# KiCad board 8851_HW-U1-VCU118_REV2-0_071417.kicad_pcb (continued)
## Routing (per net, layer and track width the routed paths; a pad name or vN(x,y) marks a point on that pad's centre or on a via; arc(x,y) is an arc through that point) (continued)
DDR4_C1_DQS1_C: length 52.9
  TOP w0.142: v2(106.53,56.93) 107.02,57.42 107.02,57.42
  07_SIG3 w0.125: 99.72,48.58 100.03,48.89 100.03,49.33 100.36,49.66 102.76,49.66 102.98,49.88 102.98,50.29 103.34,50.64 103.74,50.64 103.97,50.87 103.97,51.27 104.32,51.62 104.72,51.62 104.95,51.85 104.95,52.25 105.3,52.61 105.71,52.61 105.94,52.83 105.94,53.24 106.29,53.59 106.69,53.59 106.92,53.82 106.92,57.41 106.83,57.5 106.48,57.5 106.36,57.38 106.36,57.11 v2(106.53,56.93) ; 94.59,41.71 94.61,41.73 94.68,41.73 95.11,42.17 95.11,43.42 95.44,43.75 95.95,43.75 96.09,43.89 96.09,44.38 96.44,44.73 97,44.73 97.15,44.88
  07_SIG3 w0.175: v1(79.88,39.21) 79.66,39.21 79.53,39.08 79.53,38.87 79.65,38.75 80.03,38.75 80.18,38.9 80.9,38.9
  07_SIG3 w0.205: 80.9,38.9 81.5,38.9 81.68,39.08 81.68,39.29 82.04,39.65 82.54,39.65 82.9,39.29 82.9,39.08 83.08,38.9 83.65,38.9 83.98,39.23 84.52,39.23 84.7,39.41 84.7,40.09 85.06,40.45 85.56,40.45 85.91,40.09 85.91,39.41 86.09,39.23 86.35,39.23 86.53,39.41 86.53,40.01 86.87,40.35 87.41,40.35 87.74,40.01 87.74,39.41 87.92,39.23 88.18,39.23 88.36,39.41 88.36,40.14 88.72,40.5 89.22,40.5 89.57,40.14 89.57,39.41 89.75,39.23 90.01,39.23 90.19,39.41 90.19,40.07 90.52,40.41 91.03,40.41 91.4,40.03 91.4,39.41 91.58,39.23 91.98,39.23 92.16,39.41 92.16,39.94 92.52,40.3 93.17,40.3 93.34,40.46 93.34,40.81 93.68,41.15 94.03,41.15 94.59,41.71
  07_SIG3 w0.234: 97.15,44.88 97.15,46.43 97.35,46.63 98.14,46.63 98.2,46.58 98.9,46.58 99.18,46.86 99.18,48.35 99.41,48.58 99.72,48.58
  BOTTOM w0.142: v1(79.88,39.21) 79.48,39.61
DDR4_C1_DQS1_T: length 52.9
  TOP w0.142: v2(106.53,57.92) 107.02,58.41
  07_SIG3 w0.125: 100.11,48.6 100.24,48.73 100.24,49.24 100.44,49.45 102.84,49.45 103.19,49.8 103.19,50.2 103.42,50.43 103.83,50.43 104.17,50.78 104.17,51.18 104.41,51.42 104.81,51.42 105.16,51.76 105.16,52.17 105.39,52.4 105.79,52.4 106.14,52.75 106.14,53.15 106.37,53.38 106.78,53.38 107.13,53.74 107.13,57.54 106.92,57.75 106.7,57.75 v2(106.53,57.92) ; 94.8,41.5 94.82,41.52 94.82,41.59 95.32,42.08 95.32,43.33 95.52,43.54 96.04,43.54 96.3,43.8 96.3,44.3 96.53,44.52 97.09,44.52 97.15,44.59 97.48,44.59
  07_SIG3 w0.175: 80.9,38.6 80.3,38.6 80.15,38.45 79.45,38.45 79.09,38.81 v1(79.09,39.21)
  07_SIG3 w0.205: 80.9,38.6 81.62,38.6 81.98,38.96 81.98,39.17 82.16,39.35 82.42,39.35 82.6,39.17 82.6,38.96 82.95,38.6 83.78,38.6 84.1,38.92 84.64,38.92 85,39.28 85,39.97 85.18,40.15 85.43,40.15 85.61,39.97 85.61,39.28 85.97,38.92 86.47,38.92 86.83,39.28 86.83,39.89 86.99,40.05 87.28,40.05 87.44,39.89 87.44,39.28 87.8,38.92 88.3,38.92 88.66,39.28 88.66,40.02 88.84,40.2 89.09,40.2 89.27,40.02 89.27,39.28 89.63,38.92 90.13,38.92 90.49,39.28 90.49,39.95 90.65,40.11 90.9,40.11 91.1,39.91 91.1,39.28 91.46,38.92 92.1,38.92 92.46,39.29 92.46,39.81 92.64,40 93.3,40 94.8,41.5
  07_SIG3 w0.234: 97.48,44.59 97.92,44.59 98.2,44.87 98.2,45.35 98.45,45.6 98.85,45.6 99.12,45.87 99.12,46.32 99.43,46.63 99.86,46.63 100.11,46.88 100.11,48.6
  BOTTOM w0.142: v1(79.09,39.21) 78.7,39.61
DDR4_C1_DQS2_C: length 52.3
  TOP w0.142: v2(101.61,59.88) 102.1,60.38
  03_SIG1 w0.125: v2(101.61,59.88) 101.88,59.88 101.98,59.99 101.98,60.24 102.22,60.48 102.9,60.48 103.19,60.19 103.19,57.62 102.89,57.32 102.42,57.32 102.21,57.1 102.21,56.67 101.87,56.34 101.44,56.34 101.22,56.12 101.22,55.69 100.89,55.35 93.45,55.35 93.41,55.31 93.38,55.31
  03_SIG1 w0.175: v1(75.94,64.6) 75.85,64.69 75.85,65.04 75.55,65.34 75.55,65.59 75.67,65.71 77.22,65.71 77.64,65.29 79.76,65.29 80.32,64.72 ; 92.9,55.31 93.38,55.31
  03_SIG1 w0.205: 92.9,55.31 90.5,55.31 89.89,55.92 89.65,55.92 88.86,55.13 88.38,55.13 88.03,55.48 88.03,55.97 88.84,56.79 88.84,57.02 88.67,57.19 88.43,57.19 87.61,56.37 87.15,56.37 86.8,56.71 86.8,57.23 87.57,58 87.57,58.24 87.4,58.41 87.15,58.41 86.37,57.62 85.9,57.62 85.55,57.97 85.55,58.47 86.35,59.27 86.35,59.48 86.18,59.65 85.91,59.65 85.36,59.1 84.87,59.1 84.53,59.45 84.53,59.94 85.08,60.49 85.08,60.73 84.28,61.53 81.04,61.53 80.67,61.89 80.67,62.65 80.33,62.99 80.33,63.66 80.67,64 80.67,64.38 80.33,64.72
  BOTTOM w0.142: v1(75.94,64.6) 75.55,64.21
  vias: v1(75.15,63.81)
DDR4_C1_DQS2_T: length 52.1
  TOP w0.142: v2(102.6,59.88) 103.09,60.38
  03_SIG1 w0.125: 93.38,55.61 93.41,55.61 93.45,55.56 100.8,55.56 101.02,55.77 101.02,56.21 101.35,56.54 101.79,56.54 102,56.76 102,57.19 102.34,57.53 102.8,57.53 102.98,57.71 102.98,60.11 102.82,60.27 102.3,60.27 102.19,60.16 102.19,59.94 102.24,59.88 v2(102.6,59.88)
  03_SIG1 w0.175: 92.9,55.61 93.38,55.61 ; v1(75.15,64.6) 75.44,64.6 75.55,64.71 75.55,64.91 75.25,65.22 75.25,65.71 75.55,66.01 77.34,66.01 77.76,65.59 79.88,65.59 80.33,65.15
  03_SIG1 w0.205: 92.9,55.61 90.62,55.61 90.01,56.22 89.52,56.22 88.74,55.43 88.5,55.43 88.33,55.6 88.33,55.85 89.14,56.66 89.14,57.14 88.8,57.49 88.3,57.49 87.48,56.67 87.27,56.67 87.1,56.84 87.1,57.11 87.87,57.88 87.87,58.36 87.52,58.71 87.03,58.71 86.25,57.92 86.02,57.92 85.85,58.09 85.85,58.35 86.65,59.14 86.65,59.6 86.3,59.95 85.78,59.95 85.24,59.4 85,59.4 84.83,59.57 84.83,59.81 85.38,60.36 85.38,60.85 84.41,61.83 81.16,61.83 80.97,62.01 80.97,62.77 80.63,63.11 80.63,63.53 80.97,63.87 80.97,64.5 80.33,65.15
  BOTTOM w0.142: v1(75.15,64.6) 74.76,64.21
DDR4_C1_DQS3_C: length 36.9
  TOP w0.142: v2(97.67,56.93) 98.17,57.42 98.17,57.42
  07_SIG3 w0.125: 92.9,56.59 93,56.59 93.05,56.54 97.97,56.54 98.18,56.75 98.18,56.87 98.03,57.03 97.77,57.03 v2(97.67,56.93)
  07_SIG3 w0.175: v1(79.88,66.96) 79.68,66.96 79.52,66.81 79.52,66.44 79.34,66.26 79.34,65.92 79.47,65.79 80.19,65.79 80.33,65.66
  07_SIG3 w0.205: 80.33,65.66 81.03,64.95 81.03,61.95 81.16,61.82 81.96,61.82 82.58,61.2 82.58,59.3 82.4,59.13 82.4,57.83 83.16,57.07 83.16,55.98 83.3,55.84 84.36,55.84 85.36,54.85 85.75,54.85 85.89,54.99 85.89,55.49 86.2,55.8 86.73,55.8 87.04,55.49 87.04,54.91 87.18,54.78 87.45,54.78 87.59,54.91 87.59,55.49 87.9,55.8 88.43,55.8 88.74,55.49 88.74,54.91 88.88,54.78 89.15,54.78 89.29,54.91 89.29,55.49 89.6,55.8 90.13,55.8 90.44,55.49 90.44,55.04 90.71,54.78 91.2,54.78 91.65,55.22 91.65,55.6 92.63,56.59 92.9,56.59
  BOTTOM w0.142: v1(79.88,66.96) 79.48,67.36
DDR4_C1_DQS3_T: length 37.8
  TOP w0.142: 99.15,57.42 99.15,57.42 v2(98.66,56.93)
  TOP w0.375: v2(108.5,82.52) U1.F16
  07_SIG3 w0.125: 92.9,56.29 93.03,56.29 93.08,56.33 98.06,56.33 98.27,56.54 v2(98.66,56.93)
  07_SIG3 w0.175: v1(79.09,66.96) 79.22,66.83 79.22,66.57 79.04,66.39 79.04,65.8 79.35,65.49 80.07,65.49 80.33,65.24
  07_SIG3 w0.205: 80.33,65.24 80.73,64.83 80.73,61.82 81.04,61.52 81.83,61.52 82.28,61.08 82.28,59.42 82.1,59.25 82.1,57.7 82.86,56.94 82.86,55.85 83.17,55.54 84.24,55.54 85.23,54.55 85.88,54.55 86.19,54.86 86.19,55.36 86.33,55.5 86.6,55.5 86.74,55.36 86.74,54.79 87.05,54.47 87.58,54.47 87.89,54.79 87.89,55.36 88.03,55.5 88.3,55.5 88.44,55.36 88.44,54.79 88.75,54.47 89.28,54.47 89.59,54.79 89.59,55.36 89.73,55.5 90,55.5 90.14,55.36 90.14,54.92 90.58,54.47 91.33,54.47 91.95,55.09 91.95,55.48 92.76,56.29 92.9,56.29
  BOTTOM w0.142: v1(79.09,66.96) 78.7,67.36
DDR4_C1_DQS4_C: length 57.9
  TOP w0.142: v2(93.74,58.9) 94.23,59.39
  05_SIG2 w0.175: v2(93.74,58.9) 93.74,59.29 93.65,59.38 92.9,59.38 ; v1(75.94,92.35) 75.82,92.35 75.65,92.52 75.65,92.79 75.84,92.99 79.91,92.99 80.09,92.8 80.09,92.73
  05_SIG2 w0.205: 80.09,92.73 80.38,92.45 80.38,89.59 80.24,89.45 77.73,89.45 77.23,88.94 77.23,87.06 77.83,86.46 79.55,86.46 79.86,86.77 79.86,87.48 80,87.62 80.21,87.62 80.36,87.47 80.36,86.83 80.62,86.57 82.23,86.57 83.16,85.64 83.16,66.74 83.77,66.13 84.82,66.13 85.14,66.45 87.61,66.45 88.86,65.2 88.86,63.04 92.53,59.38 92.9,59.38
  BOTTOM w0.142: 75.55,91.96 v1(75.94,92.35)
  vias: v1(75.15,91.56)
DDR4_C1_DQS4_T: length 57.9
  TOP w0.142: v2(93.74,59.88) 94.23,60.38
  05_SIG2 w0.175: v2(93.74,59.88) 93.53,59.67 92.9,59.67 ; 80.33,93 80.03,93.29 75.72,93.29 75.33,92.9 75.33,92.53 v1(75.15,92.35)
  05_SIG2 w0.205: 92.9,59.67 92.65,59.67 89.16,63.17 89.16,65.32 87.73,66.75 85.01,66.75 84.69,66.43 83.89,66.43 83.46,66.86 83.46,85.76 82.35,86.87 80.75,86.87 80.66,86.96 80.66,87.6 80.34,87.92 79.88,87.92 79.56,87.6 79.56,86.9 79.42,86.76 77.95,86.76 77.53,87.19 77.53,88.82 77.86,89.15 80.36,89.15 80.67,89.46 80.67,92.65 80.33,93
  BOTTOM w0.142: v1(75.15,92.35) 74.76,91.96
DDR4_C1_DQS5_C: length 78.6
  TOP w0.142: v2(104.56,62.84) 105.06,63.33
  03_SIG1 w0.125: v2(104.56,62.84) 105.01,62.84 105.09,62.91 105.09,63.12 104.98,63.23 104.31,63.23 103.97,63.57 103.97,65.98 103.77,66.18 103.33,66.18 102.99,66.52 102.99,66.94 102.76,67.16 102.35,67.16 102,67.51 102,67.93 101.78,68.15 101.36,68.15 101.02,68.49 101.02,69.9 100.8,70.12 100.29,70.12 100.03,70.37 100.03,70.89 99.82,71.1 99.35,71.1 99.05,71.4 99.05,71.87 98.83,72.08 98.37,72.08 98.06,72.39 98.06,72.85 97.84,73.07 97.38,73.07 97.08,73.38 97.08,73.83 96.86,74.05 96.43,74.05 96.09,74.39 96.09,74.81 95.87,75.04 95.4,75.04 95.11,75.32 95.11,75.81 94.9,76.02 94.42,76.02 94.12,76.32 94.12,76.82 93.94,77.01 92.98,77.01 92.93,76.96 92.9,76.96
  03_SIG1 w0.175: v1(79.88,94.71) 79.88,94.25 79.97,94.16 80.11,94.16 80.27,94.32 80.27,94.58 80.33,94.63 80.33,94.64
  03_SIG1 w0.205: 80.33,94.64 80.79,94.64 81.27,94.16 81.27,93.48 81.18,93.39 80.76,93.39 80.35,92.97 80.35,92.33 80.78,91.9 81.11,91.9 81.26,91.75 81.26,91.17 81.11,91.02 80.71,91.02 80.35,90.66 80.35,89.84 79.96,89.45 72.17,89.45 71.44,88.72 71.44,88.17 71.73,87.87 72.85,87.87 72.95,87.78 72.95,87.5 72.77,87.32 72.47,87.32 72.19,87.04 72.19,85.73 72.47,85.45 72.95,85.45 73.26,85.76 73.26,86.13 73.4,86.28 73.72,86.28 73.83,86.17 73.83,85.27 74.14,84.96 74.66,84.96 75,85.3 75,86.18 75.15,86.33 75.37,86.33 75.61,86.09 75.61,85.28 75.93,84.96 76.48,84.96 76.77,85.25 76.77,86.14 76.9,86.27 77.2,86.27 77.38,86.09 77.38,85.58 77.64,85.32 78.24,85.32 78.54,85.62 78.54,86.14 78.72,86.32 79.79,86.32 79.97,86.14 79.97,85.57 80.3,85.25 84.24,85.25 92.53,76.96 92.9,76.96
  BOTTOM w0.142: 79.48,95.11 v1(79.88,94.71)
DDR4_C1_DQS5_T: length 78.8
  TOP w0.142: v2(105.55,62.84) 106.04,63.33
  03_SIG1 w0.125: v2(105.55,62.84) 105.29,63.09 105.29,63.21 105.07,63.43 104.4,63.43 104.17,63.66 104.17,66.07 103.86,66.39 103.41,66.39 103.19,66.61 103.19,67.02 102.84,67.37 102.43,67.37 102.21,67.6 102.21,68.01 101.87,68.35 101.45,68.35 101.22,68.58 101.22,69.99 100.89,70.32 100.38,70.32 100.24,70.46 100.24,70.97 99.91,71.31 99.43,71.31 99.26,71.48 99.26,71.96 98.92,72.29 98.46,72.29 98.27,72.48 98.27,72.94 97.93,73.28 97.47,73.28 97.28,73.46 97.28,73.92 96.94,74.26 96.51,74.26 96.3,74.47 96.3,74.9 95.96,75.24 95.48,75.24 95.32,75.41 95.32,75.9 94.98,76.23 94.51,76.23 94.33,76.41 94.33,76.9 94.02,77.21 92.98,77.21 92.93,77.26 92.9,77.26
  03_SIG1 w0.175: v1(79.09,94.71) 79.49,95.11 80.05,95.11 80.22,94.94 80.33,94.94
  03_SIG1 w0.205: 80.33,94.94 80.92,94.94 81.57,94.28 81.57,93.36 81.3,93.09 80.89,93.09 80.65,92.85 80.65,92.45 80.9,92.2 81.23,92.2 81.56,91.88 81.56,91.05 81.24,90.72 80.84,90.72 80.65,90.54 80.65,89.68 80.13,89.15 72.29,89.15 71.74,88.6 71.74,88.29 71.85,88.17 72.98,88.17 73.25,87.9 73.25,87.38 72.9,87.02 72.6,87.02 72.49,86.92 72.49,85.86 72.6,85.75 72.82,85.75 72.96,85.89 72.96,86.26 73.28,86.58 73.85,86.58 74.13,86.3 74.13,85.39 74.26,85.26 74.54,85.26 74.7,85.42 74.7,86.31 75.02,86.62 75.5,86.62 75.91,86.21 75.91,85.4 76.05,85.26 76.36,85.26 76.47,85.38 76.47,86.27 76.78,86.57 77.32,86.57 77.68,86.21 77.68,85.7 77.76,85.62 78.12,85.62 78.24,85.74 78.24,86.27 78.59,86.62 79.91,86.62 80.27,86.26 80.27,85.7 80.42,85.55 84.36,85.55 92.65,77.26 92.9,77.26
  BOTTOM w0.142: 78.7,95.11 v1(79.09,94.71)
DDR4_C1_DQS6_C: length 54.6
  TOP w0.142: v2(103.58,60.87) 104.07,61.36
  07_SIG3 w0.125: 92.9,67.12 92.93,67.12 92.98,67.16 95.97,67.16 96.09,67.04 96.09,66.51 95.97,66.39 94.31,66.39 94.12,66.2 94.12,65.41 94.34,65.2 99.28,65.2 99.72,64.75 102.79,64.75 102.98,64.56 102.98,61.52 103.25,61.26 103.96,61.26 104.03,61.19 104.03,61.02 103.88,60.87 v2(103.58,60.87)
  07_SIG3 w0.175: 80.33,78.63 80.03,78.92 77.32,78.92 76.97,79.27 76.72,79.27 76.64,79.2 76.64,78.95 76.49,78.79 76.27,78.79 76.12,78.95 76.12,79.16 76.01,79.27 75.85,79.27 75.64,79.07 75.64,78.59 75.75,78.48 v1(75.94,78.48)
  07_SIG3 w0.205: 92.9,67.12 92.68,67.12 92.29,67.51 92.29,68 92.4,68.11 92.4,68.35 92.23,68.52 91.99,68.52 91.83,68.37 91.43,68.37 91.04,68.76 91.04,69.25 91.39,69.6 91.39,69.85 91.22,70.02 90.99,70.02 90.63,69.66 90.14,69.66 89.8,70 89.8,70.49 90.13,70.83 90.13,71.07 89.96,71.24 89.72,71.24 89.39,70.9 88.9,70.9 88.55,71.25 88.55,71.74 88.89,72.07 88.89,72.31 88.72,72.48 88.48,72.48 88.14,72.15 87.65,72.15 87.31,72.49 87.31,72.98 87.64,73.32 87.64,73.56 87.47,73.73 87.23,73.73 86.9,73.39 86.41,73.39 86.06,73.74 86.06,74.23 86.4,74.56 86.4,74.8 86.23,74.97 85.99,74.97 85.65,74.64 85.16,74.64 84.87,74.92 84.72,74.92 84.35,75.29 83.23,75.29 81.94,76.58 80.83,76.58 80.45,76.96 80.45,78.5 80.33,78.63
  BOTTOM w0.142: v1(75.94,78.48) 75.55,78.08
  vias: v1(75.15,77.69)
DDR4_C1_DQS6_T: length 54.3
  TOP w0.142: v2(104.56,60.87) 105.06,61.36
  07_SIG3 w0.125: v2(104.56,60.87) 104.24,61.19 104.24,61.27 104.05,61.47 103.33,61.47 103.19,61.61 103.19,64.65 102.88,64.96 99.81,64.96 99.37,65.4 94.43,65.4 94.33,65.5 94.33,66.11 94.4,66.18 96.05,66.18 96.3,66.43 96.3,67.12 96.05,67.37 92.98,67.37 92.93,67.42 92.9,67.42
  07_SIG3 w0.175: v1(75.15,78.48) 75.34,78.66 75.34,79.19 75.73,79.57 77.09,79.57 77.45,79.22 80.16,79.22 80.33,79.05
  07_SIG3 w0.205: 80.33,79.05 80.75,78.63 80.75,77.08 80.95,76.88 82.07,76.88 83.36,75.59 84.48,75.59 84.85,75.22 85,75.22 85.29,74.94 85.53,74.94 85.86,75.27 86.35,75.27 86.7,74.93 86.7,74.44 86.36,74.1 86.36,73.86 86.53,73.69 86.77,73.69 87.11,74.03 87.6,74.03 87.94,73.68 87.94,73.19 87.61,72.86 87.61,72.62 87.78,72.45 88.02,72.45 88.35,72.78 88.84,72.78 89.19,72.44 89.19,71.95 88.85,71.61 88.85,71.37 89.02,71.2 89.26,71.2 89.6,71.54 90.09,71.54 90.43,71.19 90.43,70.7 90.1,70.37 90.1,70.13 90.27,69.96 90.51,69.96 90.87,70.32 91.34,70.32 91.69,69.97 91.69,69.47 91.34,69.12 91.34,68.88 91.56,68.67 91.7,68.67 91.86,68.82 92.35,68.82 92.7,68.48 92.7,67.99 92.59,67.88 92.59,67.64 92.81,67.42 92.9,67.42
  BOTTOM w0.142: v1(75.15,78.48) 74.76,78.08
DDR4_C1_DQS7_C: length 36.5
  TOP w0.142: v2(99.64,63.82) 100.13,64.31
  03_SIG1 w0.125: 92.92,71.46 92.94,71.44 93.01,71.44 93.35,71.1 94.04,71.1 94.33,71.4 94.33,71.93 94.48,72.08 94.9,72.08 95.11,71.87 95.11,71.37 95.38,71.1 95.89,71.1 96.09,70.9 96.09,70.45 96.43,70.11 96.88,70.11 97.08,69.92 97.08,68.49 97.42,68.15 97.84,68.15 98.06,67.93 98.06,67.51 98.41,67.16 98.88,67.16 99.05,66.99 99.05,66.53 99.4,66.18 99.84,66.18 100.03,65.98 100.03,64.33 99.64,63.94 v2(99.64,63.82)
  03_SIG1 w0.175: 92.9,71.48 92.92,71.46 ; v1(79.88,80.84) 80.33,80.84
  03_SIG1 w0.205: 92.9,71.48 92.57,71.81 92.57,72.35 92.76,72.54 92.76,72.83 92.47,73.12 92.18,73.12 91.99,72.93 91.45,72.93 90.93,73.46 90.93,74.1 90.55,74.48 89.9,74.48 89.34,75.04 89.34,75.69 88.96,76.07 88.32,76.07 87.79,76.59 87.79,77.25 87.41,77.62 86.76,77.62 86.21,78.18 86.21,78.83 85.83,79.21 85.18,79.21 84.67,79.71 84.67,80.06 84.45,80.27 83.42,80.27 83.1,80.59 83.1,80.81 82.96,80.95 82.72,80.95 82.55,80.79 82.55,80.58 82.25,80.27 81.22,80.27 80.66,80.84 80.33,80.84
  BOTTOM w0.142: v1(79.88,80.84) 79.48,81.23
DDR4_C1_DQS7_T: length 36.4
  TOP w0.142: v2(100.63,65.79) 101.12,65.3
  03_SIG1 w0.125: 93.13,71.68 93.15,71.65 93.15,71.59 93.43,71.31 93.95,71.31 94.12,71.48 94.12,72.02 94.4,72.29 94.98,72.29 95.32,71.96 95.32,71.46 95.47,71.31 95.98,71.31 96.3,70.98 96.3,70.54 96.52,70.32 96.97,70.32 97.28,70 97.28,68.58 97.51,68.36 97.93,68.36 98.27,68.01 98.27,67.59 98.5,67.37 98.96,67.37 99.25,67.08 99.25,66.62 99.48,66.39 99.92,66.39 100.24,66.07 100.24,65.76 100.31,65.68 100.44,65.68 100.55,65.79 v2(100.63,65.79)
  03_SIG1 w0.175: v1(79.09,80.84) 79.09,81.02 79.3,81.23 80.08,81.23 80.18,81.14 80.33,81.14
  03_SIG1 w0.205: 93.13,71.68 92.87,71.94 92.87,72.23 93.06,72.42 93.06,72.96 92.6,73.42 92.06,73.42 91.87,73.23 91.58,73.23 91.23,73.58 91.23,74.23 90.67,74.78 90.02,74.78 89.64,75.16 89.64,75.81 89.09,76.37 88.44,76.37 88.09,76.72 88.09,77.37 87.54,77.92 86.88,77.92 86.51,78.3 86.51,78.95 85.95,79.51 85.3,79.51 84.97,79.84 84.97,80.18 84.58,80.58 83.54,80.58 83.4,80.71 83.4,80.93 83.08,81.25 82.6,81.25 82.25,80.91 82.25,80.7 82.13,80.58 81.35,80.58 80.78,81.14 80.33,81.14
  BOTTOM w0.142: v1(79.09,80.84) 78.7,81.23
DDR4_C1_DQS8_C: length 57.1
  TOP w0.142: v2(95.71,62.84) 96.2,63.33
  16_SIG5 w0.105: v2(95.71,62.84) 95.99,62.84 96.1,62.94 96.1,63.17 96.36,63.44 97.02,63.44 97.28,63.17 97.28,61.59 96.96,61.26 96.42,61.26 96.3,61.14 96.3,60.62 95.95,60.28 95.49,60.28 95.3,60.09 95.3,59.65 94.95,59.29 93.56,59.29 93.33,59.07 93.33,58.81 93.11,58.59 93.11,58.52
  16_SIG5 w0.106: v1(75.94,50.73) 75.67,51 75.67,51.15 75.78,51.26 80.28,51.26 80.31,51.23 80.33,51.23
  16_SIG5 w0.138: 80.33,51.23 80.44,51.23 80.56,51.11 80.56,48.09 80.38,47.91 77.12,47.91 76.17,46.96 76.17,44.35 76.57,43.95 77.33,43.95 77.72,44.34 77.72,44.55 77.93,44.75 78.34,44.75 78.54,44.55 78.54,43.98 78.91,43.61 81.64,43.61 82.49,42.75 85.4,42.75 90.7,48.06 90.7,56.11 93.11,58.52
  BOTTOM w0.142: v1(75.94,50.73) 75.55,50.33
  vias: v1(75.15,49.94)
DDR4_C1_DQS8_T: length 57.1
  TOP w0.142: v2(96.69,62.84) 97.18,63.33
  16_SIG5 w0.105: v2(96.69,62.84) 96.4,62.84 96.3,62.94 96.3,63.09 96.45,63.24 96.94,63.24 97.08,63.09 97.08,61.67 96.87,61.46 96.33,61.46 96.1,61.22 96.1,60.7 95.87,60.48 95.41,60.48 95.1,60.17 95.1,59.73 94.86,59.49 93.48,59.49 93.13,59.15 93.13,58.9 92.98,58.74 92.91,58.74 92.9,58.73
  16_SIG5 w0.106: 80.33,51.53 80.3,51.53 80.27,51.5 78.11,51.5 78,51.61 78,51.88 77.89,51.98 77.68,51.98 77.57,51.88 77.57,51.61 77.47,51.5 75.68,51.5 75.43,51.25 75.43,51 v1(75.15,50.73)
  16_SIG5 w0.138: 92.9,58.73 90.4,56.24 90.4,48.18 85.28,43.05 82.62,43.05 81.76,43.91 79.04,43.91 78.84,44.1 78.84,44.67 78.46,45.05 77.8,45.05 77.42,44.67 77.42,44.46 77.21,44.25 76.7,44.25 76.47,44.47 76.47,46.83 77.25,47.61 80.5,47.61 80.86,47.97 80.86,51.23 80.56,51.53 80.33,51.53
  BOTTOM w0.142: v1(75.15,50.73) 74.76,50.33
DDR4_C1_DQS9_C: length 33.3
  TOP w0.142: v2(93.74,49.06) 94.23,49.55
  05_SIG2 w0.175: v2(93.74,49.06) 93.91,49.06 94.09,49.23 94.09,49.41 93.96,49.54 92.9,49.54 ; v1(79.88,53.09) 79.96,53.17 80.33,53.17
  05_SIG2 w0.205: 92.9,49.54 92.34,48.97 91.46,48.97 91.26,48.77 91.26,47.96 90.85,47.55 90.41,47.55 90.09,47.86 90.09,49.38 89.96,49.51 89.68,49.51 89.54,49.37 89.54,47.99 89.23,47.67 88.71,47.67 88.39,47.99 88.39,49.48 88.25,49.62 87.98,49.62 87.84,49.49 87.84,48.13 87.44,47.73 86.57,47.73 86.23,48.07 86.23,49.57 86.15,49.65 85.93,49.65 85.49,50.09 85.49,50.39 85.36,50.52 85.07,50.52 84.72,50.87 84.72,51.42 85.08,51.78 85.28,51.78 85.44,51.95 85.44,53.34 85.31,53.47 85.1,53.47 84.95,53.33 84.95,52.62 84.54,52.21 83.39,52.21 83.01,52.59 83.01,53.34 82.86,53.49 82.6,53.49 82.46,53.36 82.46,52.69 82.16,52.39 81.27,52.39 80.94,52.72 80.94,53.02 80.79,53.17 80.33,53.17
  BOTTOM w0.142: v1(79.88,53.09) 79.48,53.48
DDR4_C1_DQS9_T: length 33.3
  TOP w0.142: v2(93.74,50.04) 94.23,50.53
  05_SIG2 w0.175: 92.9,49.84 93.53,49.84 v2(93.74,50.04) ; v1(79.09,53.09) 79.49,53.48 80.32,53.48 80.33,53.47
  05_SIG2 w0.205: 80.33,53.47 80.92,53.47 81.24,53.15 81.24,52.84 81.4,52.69 82.03,52.69 82.16,52.81 82.16,53.48 82.47,53.79 82.98,53.79 83.31,53.46 83.31,52.72 83.51,52.51 84.42,52.51 84.65,52.75 84.65,53.45 84.98,53.77 85.43,53.77 85.74,53.47 85.74,51.82 85.4,51.48 85.21,51.48 85.02,51.29 85.02,50.99 85.19,50.82 85.48,50.82 85.79,50.51 85.79,50.22 86.05,49.95 86.27,49.95 86.53,49.69 86.53,48.2 86.7,48.03 87.32,48.03 87.54,48.26 87.54,49.61 87.86,49.92 88.37,49.92 88.69,49.6 88.69,48.11 88.83,47.97 89.11,47.97 89.24,48.11 89.24,49.5 89.56,49.81 90.08,49.81 90.39,49.5 90.39,47.99 90.53,47.85 90.73,47.85 90.96,48.08 90.96,48.89 91.34,49.28 92.2,49.28 92.76,49.84 92.9,49.84
  BOTTOM w0.142: v1(79.09,53.09) 78.7,53.48
DDR4_C1_ODT: length 147.7
  TOP w0.15: 96.2,49.55 v2(95.71,49.06)
  TOP w0.275: 64.82,103.1 64.82,102.42 v3(64.77,102.38)
  05_SIG2 w0.17: 66.5,91.96 71.61,91.96 v1(72,92.35)
  05_SIG2 w0.287: v3(64.77,102.38) 64.77,101.92 63.2,100.35 63.2,96.55 64.83,94.92 64.83,93.46 66.33,91.96 66.5,91.96
  18_SIG6 w0.087: v2(95.71,49.06) 95.21,49.55 95.21,51.36 95.06,51.52 92.9,51.52 ; 80.9,37.83 80.7,37.63 73.38,37.63 72.6,36.85 v1(72,36.85) 72,37.64 72.4,38.04 72.4,41.92 72.77,42.29 74.01,42.29 75.1,43.39 75.1,46.82 74.16,47.76 73.62,47.76 73.07,48.31 73.07,49.87 72.21,50.73 v1(72,50.73) 72,52.08 72.4,52.47 72.4,55.61 72.8,56.01 73.8,56.01 74.86,57.07 74.86,60.85 74.03,61.68 73.52,61.68 73.19,62.01 73.19,63.19 73.2,63.2 73.2,63.61 72.21,64.6 v1(72,64.6) 72,66.41 72.4,66.8 72.4,74.1 72.94,74.64 72.94,77.94 72.4,78.48 v1(72,78.48) 72,80 72.4,80.39 72.4,84.14 72.98,84.72 72.98,86.44 73.07,86.53 73.37,86.53 73.46,86.62 73.46,86.88 73.37,86.97 73.07,86.97 72.98,87.05 72.98,87.32 73.07,87.4 73.37,87.4 73.46,87.49 73.46,87.75 73.37,87.84 73.07,87.84 72.98,87.93 72.98,91.38 v1(72,92.35)
  18_SIG6 w0.155: 92.9,51.52 92.09,51.52 91.8,51.81 91.8,56.98 91.52,57.26 90.94,57.26 90.65,56.96 90.65,51.81 90.36,51.53 89.78,51.53 89.5,51.81 89.5,56.6 89.19,56.91 88.62,56.91 88.35,56.64 88.35,51.81 85.32,48.78 85.32,43.99 81.69,40.36 81.69,38.62 80.9,37.83
  BOTTOM w0.15: v1(72,92.35) 72.4,91.96 ; v1(72,78.48) 72.4,78.08 ; v1(72,36.85) 72.4,36.46 ; v1(72,50.73) 72.4,50.33 ; v1(72,64.6) 72.4,64.21
  BOTTOM w0.375: 74.76,81.23 v1(75.15,80.84) ; 74.76,95.11 v1(75.15,94.71) ; 74.76,67.36 v1(75.15,66.96) ; 74.76,39.61 v1(75.15,39.21) ; 74.76,53.48 v1(75.15,53.09)
DDR4_C1_PAR: length 156.5
  TOP w0.15: v2(99.64,51.03) 100.13,51.52
  TOP w0.275: v3(83.85,101.9) 84.32,102.37 84.32,103.1
  03_SIG1 w0.17: 75.04,97.8 74.53,97.8 73.97,97.24 73.97,93.9 72.4,92.33 72.4,92.19 72.17,91.96 71.84,91.96 71.61,91.73 71.61,91.4 71.38,91.17 71.05,91.17 70.82,90.94 70.82,90.61 70.59,90.38 70.27,90.38 70.04,90.15 70.04,89.83 69.81,89.6 67.9,89.6 67.67,89.83 67.67,90.15 67.44,90.38 67.12,90.38 66.89,90.61 66.89,91.96 v1(67.28,92.35)
  03_SIG1 w0.287: v3(83.85,101.9) 82.83,100.88 77.37,100.88 75.92,99.42 75.92,98.68 75.04,97.8
  16_SIG5 w0.087: v1(67.28,92.35) 66.55,91.63 66.55,89.68 66.71,89.52 67.05,89.52 67.3,89.28 67.3,89 67.14,88.85 66.8,88.85 66.55,88.6 66.55,79.2 v1(67.28,78.48) 66.85,78.05 66.85,75.16 66.55,74.86 66.55,74.47 66.85,74.17 66.85,65.03 v1(67.28,64.6) 66.74,64.6 64.62,62.48 64.62,60.58 64.87,60.33 64.87,59.14 64.54,58.81 64.54,58.16 64.97,57.73 64.97,52.57 66.32,51.22 66.79,51.22 v1(67.28,50.73) 66.34,49.79 66.13,49.79 64.55,48.21 64.55,43.51 65.36,42.69 65.36,41.32 64.82,40.78 64.82,39.31 v1(67.28,36.85)
  20_SIG7 w0.087: v2(99.64,51.03) 100.13,50.53 100.13,41.8
  20_SIG7 w0.155: 100.13,41.8 100.13,40.72 99.11,39.7 99.11,34.29 97.85,33.03 97.85,32.39 94.85,29.38 68.53,29.38 65.48,32.43 65.48,35.94 66.4,36.85 v1(67.28,36.85)
  BOTTOM w0.15: 67.67,36.46 v1(67.28,36.85) ; 67.67,50.33 v1(67.28,50.73) ; 67.67,64.21 v1(67.28,64.6) ; 67.67,78.08 v1(67.28,78.48) ; 67.67,91.96 v1(67.28,92.35)
DDR4_C1_RESET_B: length 162.6
  TOP w0.15: 106.04,61.36 v2(105.55,60.87)
  TOP w0.275: 80.57,102.89 v3(80.57,102.2)
  03_SIG1 w0.17: 72.39,97.8 72.39,97.25 72.4,97.24 72.4,94.22 70.82,92.64 70.82,92.19 70.6,91.96 69.48,91.96 69.25,91.73 69.25,91.4 69.02,91.17 68.69,91.17 68.46,90.94 68.46,90.57 68.86,90.17 v1(68.86,89.99)
  03_SIG1 w0.287: 72.39,97.8 72.39,98.05 72.91,98.57 72.91,99.25 74.44,100.79 75.38,100.79 77.44,102.85 79.92,102.85 v3(80.57,102.2)
  07_SIG3 w0.17: v2(105.55,60.87) 106.04,61.36 108.7,61.36 108.99,61.07 108.99,60.67 109.28,60.38 109.69,60.38 109.98,60.09 109.98,59.68 110.27,59.39 110.67,59.39 110.96,59.1 110.96,53.78 110.67,53.49 110.27,53.49 109.98,53.2 109.98,52.79 109.69,52.5 109.28,52.5 108.99,52.21 108.99,51.81 108.7,51.52 108.3,51.52 108.01,51.23 108.01,50.82 107.72,50.53 107.31,50.53 107.02,50.25 107.02,49.84 106.74,49.55 106.33,49.55 106.04,49.26 106.04,48.85 105.75,48.57 105.34,48.57 105.06,48.28 105.06,47.87 104.77,47.58 104.36,47.58 104.07,47.29 104.07,46.89 103.78,46.6 103.38,46.6 103.09,46.31 103.09,45.9 102.8,45.61 102.39,45.61 102.1,45.32 102.1,44.92 101.81,44.63 101.41,44.63 101.12,44.34 101.12,43.93 100.83,43.64 100.42,43.64 100.13,43.36 100.13,41.54 100.01,41.41
  07_SIG3 w0.287: 100.01,41.41 97.79,39.19 96.39,39.19 93.36,36.16 91.23,36.16 87.95,32.88 86.39,32.88 86.28,32.99 85.51,32.99 84.76,33.74 75.12,33.74 74.97,33.59 74.97,32.72 74.81,32.57 74.24,32.57 74.04,32.77 74.04,33.76 73.91,33.89 73.29,33.89 73.11,33.71 73.11,32.64 72.95,32.49 72.35,32.49 72.23,32.61 72.23,33.53 72.02,33.74 69.6,33.74 v1(68.86,34.49)
  18_SIG6 w0.087: v1(68.86,89.99) 68.86,88.46 68.46,88.07 68.46,87.04 68.38,86.95 68.19,86.95 68.11,86.86 68.11,86.6 68.19,86.51 68.38,86.51 68.46,86.42 68.46,86.16 68.38,86.07 68.19,86.07 68.11,85.99 68.11,85.72 68.19,85.64 68.38,85.64 68.46,85.55 68.46,77.53 68.69,77.29 69.02,77.29 69.25,77.06 69.25,76.74 68.86,76.35 v1(68.86,76.11) 68.86,75.42 68.46,75.03 68.46,63.65 68.69,63.42 69.02,63.42 69.25,63.19 69.25,62.63 v1(68.86,62.24) 69.53,61.56 69.53,59.81 69.03,59.31 69.03,58.76 68.46,58.2 68.46,52.4 68.29,52.23 67.45,52.23 67.28,52.06 67.28,51.72 67.45,51.55 68.29,51.55 68.46,51.38 68.46,49.78 68.69,49.54 69.02,49.54 69.25,49.31 69.25,48.99 68.86,48.6 v1(68.86,48.36) 68.86,47.7 66.86,45.7 66.86,42.43 67.06,42.23 67.29,42.23 67.45,42.39 68.09,42.39 68.46,42.02 68.46,38.66 68.34,38.53 68.09,38.53 67.92,38.36 67.92,38.02 68.09,37.85 68.34,37.85 68.46,37.73 68.46,35.9 68.69,35.67 69.02,35.67 69.25,35.44 69.25,34.88 v1(68.86,34.49)
  BOTTOM w0.15: 69.25,76.51 v1(68.86,76.11) ; 69.25,34.88 v1(68.86,34.49) ; 69.25,90.38 v1(68.86,89.99) ; 69.25,48.76 v1(68.86,48.36) ; 69.25,62.63 v1(68.86,62.24)
DDR4_C1_TEN: length 143.8
  TOP w0.15: 94.23,61.36 v2(93.74,60.87)
  TOP w0.275: 69.32,102.89 v3(69.32,102.14)
  05_SIG2 w0.17: v1(69.64,97.08) 68.92,97.8